# KiCad board UniDebug.kicad_pcb (continued)
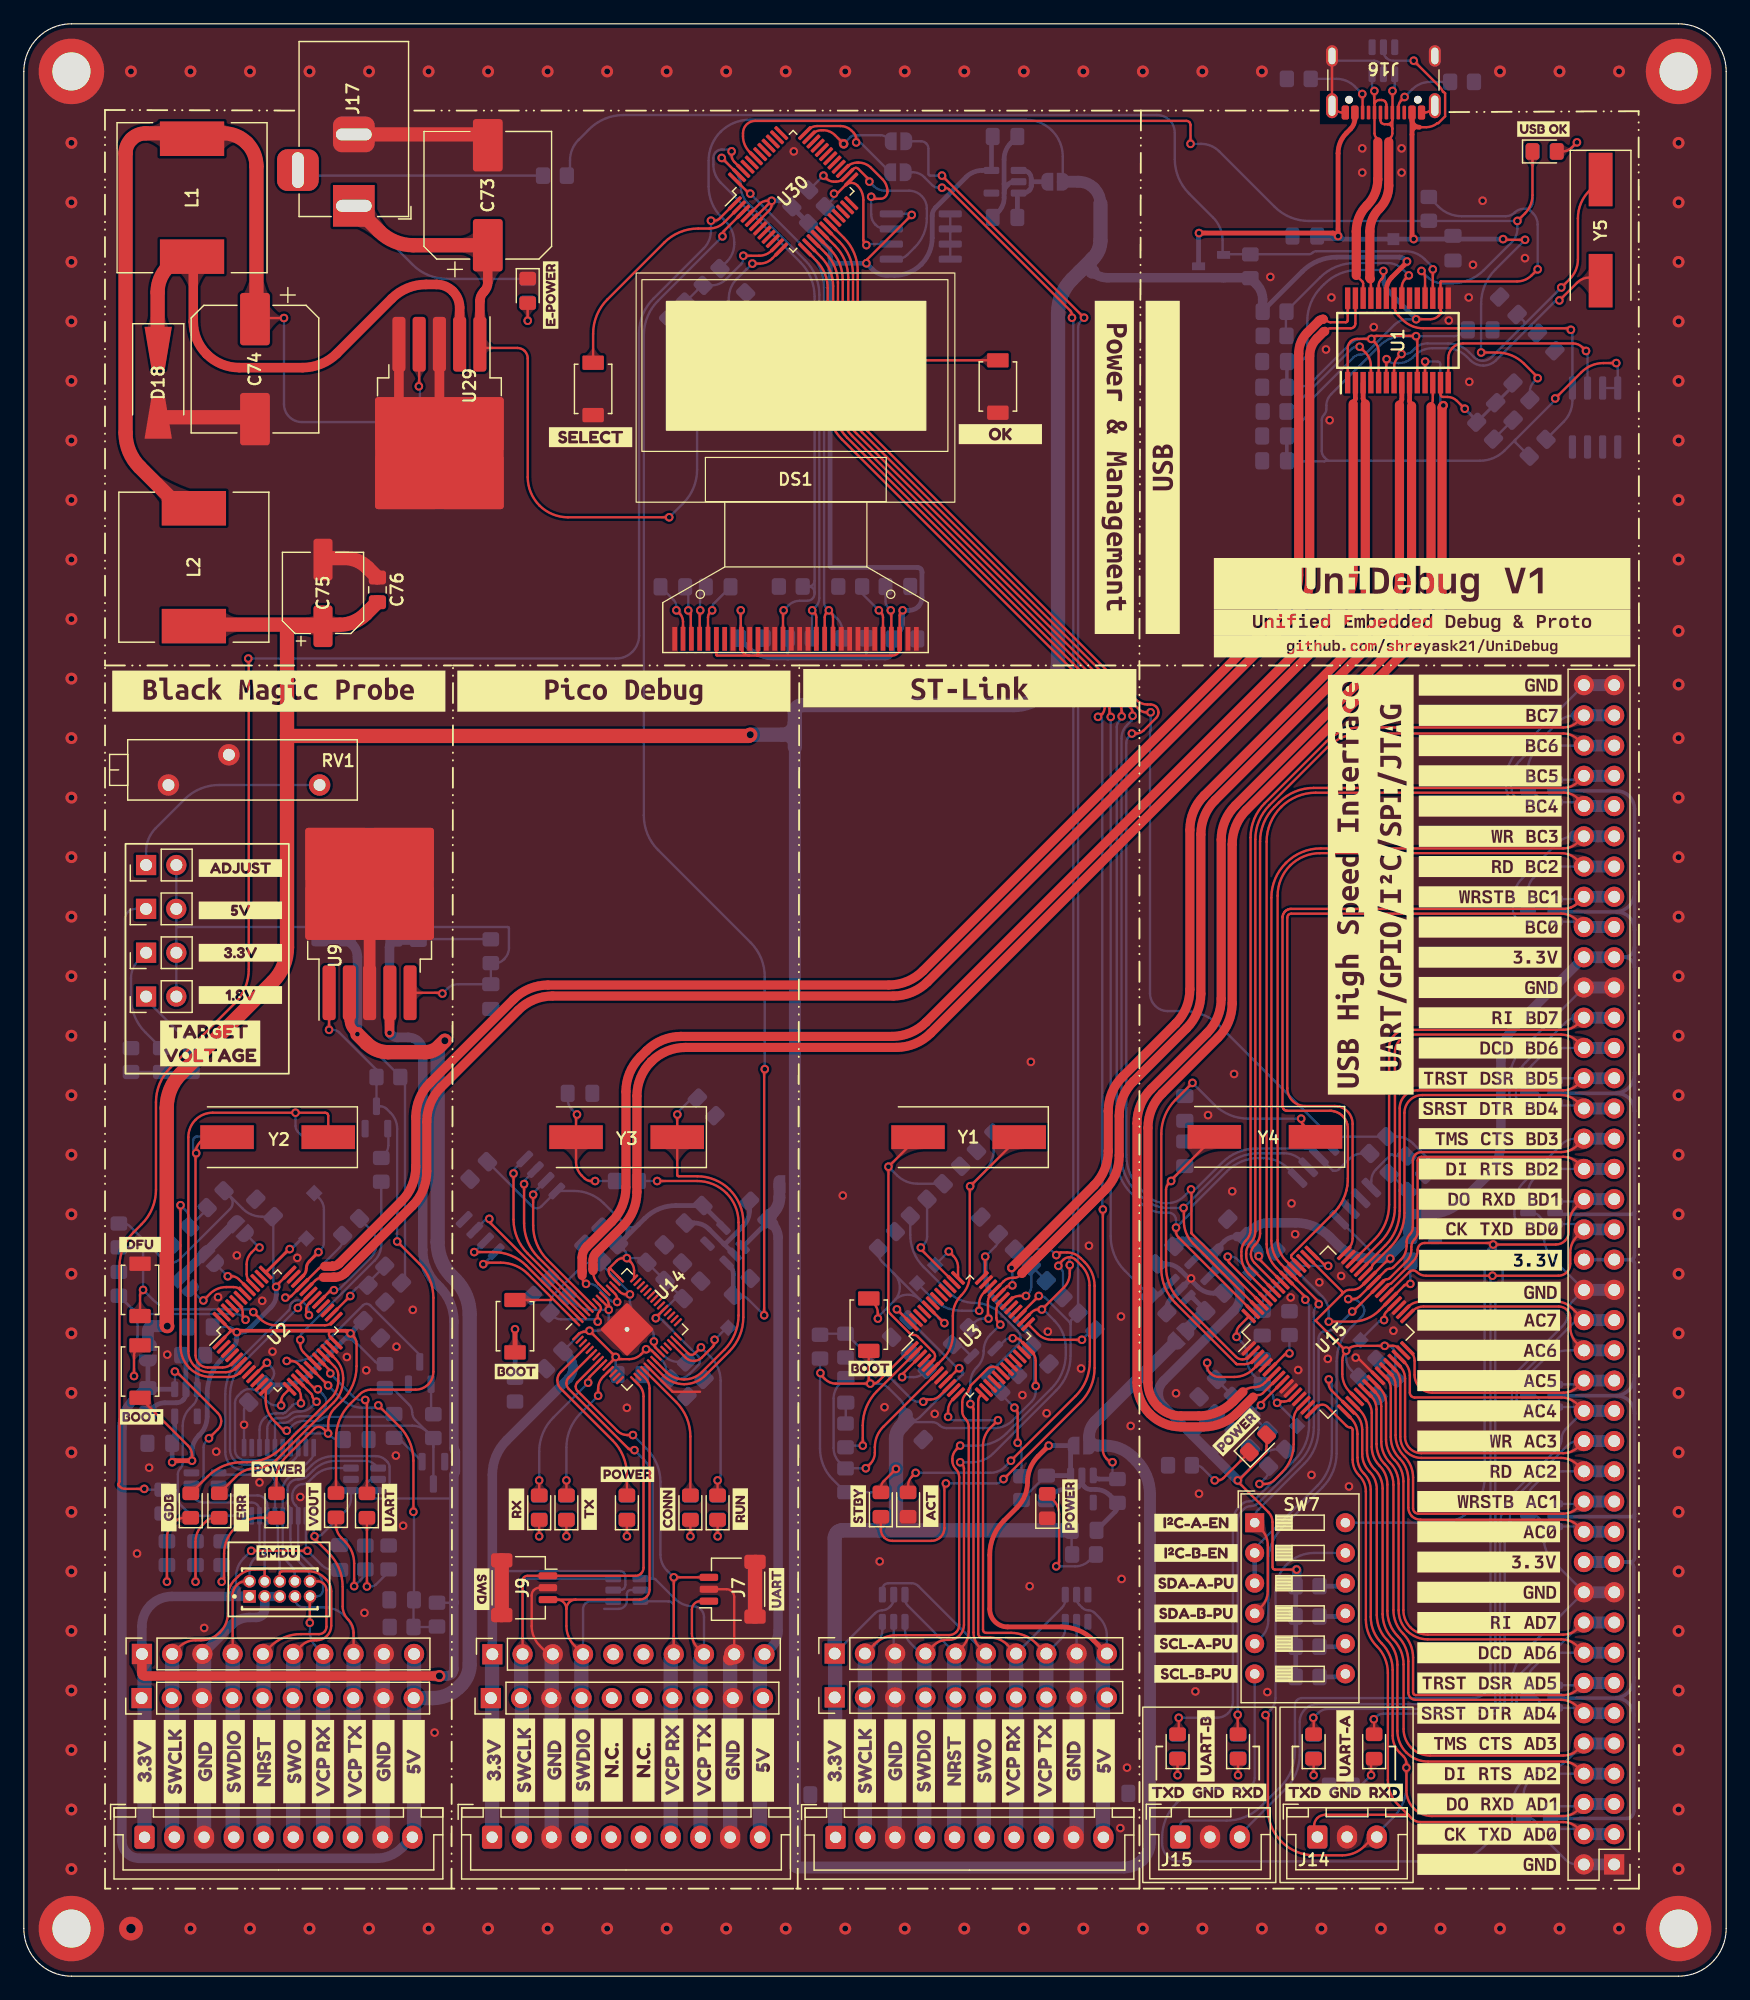
[diagram p0: board, top side]
## Routing (per net, layer and track width the routed paths; a pad name or vN(x,y) marks a point on that pad's centre or on a via; arc(x,y) is an arc through that point) (continued)
/PicoProbe/PP_VSYS: length 142.2
  Top w0.2: U14.44 49.29,58.83 arc(49.18,59) 49.13,59.21 49.13,59.36 ; v1(49.72,52.01) 49.72,51.99 arc(49.72,51.97) 49.71,51.96 U14.10 ; v1(49.72,52.01) 47.52,54.21 arc(47.52,54.22) 47.52,54.22 v1(47.52,54.22) 47.47,54.17 arc(47.41,54.13) 47.35,54.12 47.05,54.12 arc(46.8,54.07) 46.59,53.93 ; v1(49.72,52.01) 49.81,51.92 arc(49.91,51.85) 50.03,51.83 50.85,51.83 arc(51.4,51.94) 51.86,52.25 v1(52.27,52.66) 52.45,52.66 arc(52.61,52.63) 52.75,52.54 U14.22 ; 49.13,59.36 arc(49.15,59.41) 49.2,59.43 ; 49.13,59.36 arc(49.15,59.42) 49.18,59.47 ; U14.49 49.07,56.22 arc(49.12,56.15) 49.14,56.06 v1(49.14,55.97) 49.14,56.39 arc(49.07,56.69) 48.9,56.95 ; 49.18,59.47 49.8,60.09 arc(50.05,60.26) 50.34,60.32 v1(50.66,60.32) 50.96,60.01 arc(51.18,59.68) 51.26,59.28 U14.42 ; 49.18,59.47 arc(49.17,59.44) 49.2,59.43 ; U14.43 50.08,58.61 arc(50.08,58.61) 50.08,58.61 49.31,59.38 arc(49.26,59.42) 49.2,59.43 ; v1(53.08,55.27) 53.08,55.3 arc(53.09,55.33) 53.11,55.36 U14.33
  Bottom w0.2: U11.5 50.1,32.44 arc(50.27,32.47) 50.41,32.56 arc(50.5,32.7) 50.53,32.87 50.53,33.59 arc(50.5,33.76) 50.4,33.9 arc(50.26,33.99) 50.1,34.03 39.79,34.03 arc(39.62,33.99) 39.48,33.9 arc(39.39,33.76) 39.36,33.59 J12.1 ; 55.06,57.24 v1(53.08,55.27) 53.27,55.27 arc(53.44,55.23) 53.59,55.14 56.64,52.08 arc(56.76,51.9) 56.8,51.7 arc(56.76,51.49) 56.64,51.32 55.93,50.61 arc(55.44,50.28) 54.86,50.16 ; C37.1 46.23,56.56 arc(46.87,56.13) 47.63,55.97 v1(49.14,55.97) 49.14,55.14 arc(49.07,54.79) 48.87,54.49 arc(48.57,54.29) 48.21,54.22 v1(47.52,54.22) 47.26,54.22 arc(47.03,54.17) 46.83,54.04 45.52,52.74 ; C32.1 42.69,64.67 arc(42.87,64.55) 43.09,64.51 arc(43.3,64.55) 43.48,64.67 U13.8 46.23,65.96 arc(47.57,65.69) 48.71,64.93 50.51,63.13 arc(51.07,62.9) 51.63,63.13 ; 50.31,61.1 50.51,60.9 arc(50.62,60.73) 50.66,60.53 v1(50.66,60.32) 51.99,60.32 53.52,58.79 ; v1(49.72,52.01) 49.72,50.69 ; v1(52.27,52.66) 52.47,52.66 arc(52.65,52.63) 52.8,52.53 53.63,51.7 arc(53.88,51.33) 53.96,50.9 53.96,50.44 ; C44.1 C40.1
  Bottom w0.4: 50.51,62.01 50.31,61.8 arc(50.16,61.45) 50.31,61.1 ; 50.51,62.01 52.16,63.65 arc(53.36,64.45) 54.78,64.74 C31.1 58.78,63 ; 50.51,62.01 arc(50.75,62.57) 50.51,63.13
  Bottom w0.8: J12.1 39.36,42.12 arc(39.67,43.68) 40.55,45 45.76,50.21 arc(46.04,50.63) 46.14,51.12 arc(46.04,51.61) 45.76,52.02 45.52,52.26
  Bottom w1.2: J10.1 39.33,27.02
/PicoProbe/QSPI_SCLK: length 14.2
  Top w0.2: v1(42.02,66.54) 42.02,63.26 arc(42.33,61.7) 43.22,60.37 U14.52
  Bottom w0.2: v1(42.02,66.54) 42.02,66.67 arc(42.05,66.79) 42.12,66.9 U13.6
/PicoProbe/QSPI_SD0: length 15.6
  Top w0.2: U14.53 42.33,60.7 arc(41.44,62.02) 41.13,63.58 v1(41.13,67.43)
  Bottom w0.2: U13.5 41.23,67.81 arc(41.16,67.7) 41.13,67.57 v1(41.13,67.43)
/PicoProbe/QSPI_SD1: length 12.4
  Top w0.2: U14.55 42.22,59.68 arc(40.95,60.53) 39.45,60.82 v1(37.83,60.82)
  Bottom w0.2: v1(37.83,60.82) 37.84,60.82 arc(37.84,60.83) 37.84,60.83 U13.2
/PicoProbe/QSPI_SD2: length 13
  Top w0.2: v1(39.1,63.62) 39.1,63.49 arc(39.13,63.37) 39.19,63.27 U14.54
  Bottom w0.2: U13.3 38.75,63.53 arc(38.85,63.59) 38.97,63.62 v1(39.1,63.62)
/PicoProbe/QSPI_SD3: length 12.9
  Top w0.2: v1(42.78,65.65) 42.78,63.06 arc(43.1,61.5) 43.98,60.18 U14.51
  Bottom w0.2: v1(42.78,65.65) 42.78,65.71 arc(42.8,65.76) 42.83,65.81 U13.7
/PicoProbe/QSPI_SS: length 14.6
  Top w0.2: SW4.1 44.24,56.8 arc(44.35,56.88) 44.32,57.01 ; 44.32,57.01 42.34,58.99 arc(41.29,59.69) 40.06,59.94 38.81,59.94 arc(38.73,59.92) 38.66,59.87 v1(38.59,59.81) ; 44.32,57.01 U14.56
  Bottom w0.2: v1(38.59,59.81) 38.61,59.81 arc(38.62,59.81) 38.63,59.82 U13.1
/STLink/EN_STLINK: length 116.1
  Top w0.2: U30.13 66.57,144.09 arc(67.28,143.04) 67.52,141.8 67.52,131.98 arc(67.83,130.42) 68.72,129.1 90.51,107.3 arc(90.72,106.99) 90.8,106.62 arc(90.74,106.3) 90.58,106.01 90.35,106.01 90.23,105.89 v1(90.23,105.78) ; v1(90.64,64.41) 90.64,44.21 arc(90.72,43.81) 90.94,43.48 91.18,43.24 arc(91.26,43.19) 91.35,43.17 v1(91.45,43.17)
  Bottom w0.2: v1(90.23,105.78) 90.41,105.78 90.52,105.67 arc(90.57,105.57) 90.59,105.46 90.59,64.49 arc(90.59,64.46) 90.61,64.43 v1(90.64,64.41) ; v1(91.45,43.17) 91.45,42.17
  Bottom w0.4: R31.2 90.35,41.76 arc(90.15,41.8) 89.98,41.91 U4.3
/STLink/STL_CLK: length 165.5
  Top w0.2: v1(78.66,44.57) 78.33,44.24 arc(78.08,43.87) 78,43.44 78,43.31 arc(78.07,42.93) 78.28,42.61 arc(78.5,42.29) 78.57,41.92 78.57,29.5 arc(78.51,29.18) 78.32,28.9 arc(78.05,28.72) 77.72,28.65 76.72,28.65 arc(76.72,28.65) 76.72,28.65 arc(76.71,28.64) 76.71,28.64 73.29,28.64 arc(72.28,28.44) 71.43,27.87 J4.2 ; v1(88.05,139.31) 88.05,139.54 arc(88,139.75) 87.89,139.92 77.73,150.07 arc(77.56,150.19) 77.35,150.23 v1(77.12,150.23) ; U3.26 84.66,55.78 arc(84.91,55.94) 85.2,56 v1(85.51,56) 87.37,57.85 arc(87.73,58.4) 87.86,59.04 v1(87.86,59.73)
  Bottom w0.2: v1(78.66,44.57) 80.09,44.57 arc(81.41,44.83) 82.53,45.58 86.33,49.38 arc(87.22,50.71) 87.53,52.27 87.53,52.78 arc(87.28,54.01) 86.58,55.06 85.69,55.95 arc(85.64,55.99) 85.58,56 v1(85.51,56) ; U5.3 72.12,29.1 arc(72,28.49) 71.65,27.96 70.78,27.1 ; v1(88.05,139.31) 88.1,139.26 arc(88.14,139.19) 88.16,139.12 88.16,60.91 arc(88.12,60.69) 87.99,60.5 arc(87.87,60.32) 87.82,60.1 87.82,59.8 arc(87.83,59.77) 87.84,59.75 v1(87.86,59.73) ; JP14.1 74.65,151.53 arc(75.18,151.43) 75.63,151.13 76.31,150.45 arc(76.55,150.29) 76.82,150.23 v1(77.12,150.23)
  Bottom w1.2: 70.65,11.7 70.65,27.09
/STLink/STL_DIO: length 165.5
  Top w0.2: v1(85.26,57.14) 83.65,55.54 ; v1(78.66,43.17) 78.81,43.01 arc(78.93,42.84) 78.97,42.63 78.97,29.5 arc(78.88,29.02) 78.6,28.62 arc(78.2,28.35) 77.72,28.25 77.56,28.25 arc(76.94,28.13) 76.41,27.77 J4.4 ; v1(89.06,139.31) v1(77.12,151.25)
  Bottom w0.2: 87.93,54.75 87.93,52.1 arc(87.62,50.54) 86.73,49.22 81.41,43.89 arc(80.61,43.36) 79.67,43.17 v1(78.66,43.17) ; 87.93,54.75 87.93,54.96 ; 87.93,54.75 arc(87.91,54.85) 87.86,54.93 ; 87.93,54.96 arc(87.9,54.92) 87.86,54.93 ; 87.93,54.96 arc(87.95,55.05) 88,55.13 88.24,55.37 ; 88.56,56.14 88.56,138.45 arc(88.62,138.78) 88.81,139.06 v1(89.06,139.31) ; 75.35,27.1 74.49,27.96 arc(74.14,28.49) 74.02,29.1 U5.1 ; JP13.1 75.36,154.13 arc(75.6,154.09) 75.81,153.95 arc(75.94,153.75) 75.99,153.51 75.99,151.39 arc(76,151.34) 76.03,151.29 arc(76.08,151.26) 76.13,151.25 v1(77.12,151.25) ; 87.86,54.93 85.78,57.01 arc(85.63,57.11) 85.45,57.14 v1(85.26,57.14)
  Bottom w1.2: 75.65,11.7 75.65,27.01
/STLink/STL_RST: length 47.9
  Top w0.2: J4.5 78.82,27.65 arc(79.23,28.26) 79.37,28.97 79.37,46.16 arc(79.3,46.52) 79.1,46.82 arc(78.9,47.12) 78.83,47.47 78.83,48.21 arc(78.9,48.57) 79.1,48.87 79.31,49.07 arc(79.35,49.15) 79.37,49.24 79.37,49.25 arc(79.39,49.32) 79.43,49.39 79.45,49.4 arc(79.48,49.45) 79.49,49.51 arc(79.5,49.56) 79.53,49.61 80.91,50.99 arc(81.14,51.14) 81.41,51.19 arc(81.67,51.14) 81.9,50.99
  Bottom w0.2: J4.5 74.26,31.11 arc(74.08,31.38) 74.02,31.7
  Bottom w1.2: 78.15,11.7 78.15,26.97
/STLink/STL_RXD: length 45.5
  Top w0.2: J4.7 82.6,27.85 arc(81.95,28.29) 81.19,28.44 80.49,28.44 arc(80.37,28.46) 80.27,28.53 arc(80.2,28.64) 80.17,28.76 80.17,48.37 arc(80.21,48.56) 80.32,48.73 U3.13
  Bottom w0.2: J4.7 87.2,30.94 arc(87.41,31.26) 87.49,31.64
  Bottom w1.2: J4.7 83.36,11.83
/STLink/STL_SWO: length 56.8
  Top w0.2: v1(79.51,48.07) 79.64,47.94 arc(79.74,47.79) 79.77,47.62 79.77,28.88 arc(79.91,28.2) 80.29,27.62 ; v1(82.03,54.73) 81.86,54.9 arc(81.74,55.08) 81.7,55.3 81.7,55.96 arc(81.77,56.31) 81.97,56.62
  Bottom w0.2: v1(82.03,54.73) 81.2,53.9 arc(80.78,53.27) 80.63,52.53 80.63,52.52 arc(80.49,51.79) 80.07,51.17 arc(79.66,50.55) 79.51,49.82 v1(79.51,48.07) ; J4.6 75.14,32.78 arc(74.88,32.95) 74.57,33.01 72.63,33.01 arc(72.43,32.97) 72.27,32.86 arc(72.16,32.69) 72.12,32.5
  Bottom w1.2: 80.65,11.7 80.65,26.93
/STLink/STL_TXD: length 48.5
  Top w0.2: v1(77.64,46.98) 77.64,47.51 arc(77.74,48.01) 78.02,48.42 U3.12 ; v1(81.83,46.7) 81.2,46.07 arc(80.74,45.38) 80.57,44.55 80.57,29.09 arc(80.59,29) 80.65,28.91 arc(80.73,28.86) 80.82,28.84 82.93,28.84 arc(84.06,28.61) 85.03,27.97 J4.8
  Bottom w0.2: v1(81.83,46.7) 78.12,46.7 arc(77.93,46.74) 77.78,46.84 v1(77.64,46.98) ; J4.8 87.1,28.31 arc(87.39,28.73) 87.49,29.23
  Bottom w1.2: J4.8 85.9,11.87
/STLink/~{STLIINK_SDIO}: length 8.4
  Top w0.2: v1(80.25,55.9) 80.25,55.9 arc(80.25,55.9) 80.25,55.9 80.25,56.46 arc(80.35,56.98) 80.65,57.42 U3.34
  Bottom w0.2: v1(80.25,55.9) 78.8,55.9 arc(77.46,56.16) 76.32,56.92 TP2.1
/STLink/~{STLIINK_SWCLK}: length 4.1
  Top w0.2: U3.37 78.47,59.55 arc(78.37,60.06) 78.08,60.49 v1(77.7,60.88)
  Bottom w0.2: v1(77.7,60.88) TP1.1
/STLink/~{STLINK_VBUS}: length 57
  Top w0.4: J4.10 89.86,28.22 arc(88.61,29.05) 87.15,29.34 82.64,29.34 arc(81.58,29.78) 81.14,30.84 81.14,35.39 arc(81.45,36.95) 82.33,38.27 83.42,39.35 arc(84.08,40.35) 84.31,41.52 84.31,41.53 arc(84.54,42.7) 85.2,43.68 v1(86.09,44.57)
  Bottom w0.2: R10.2 85.86,42.05 ; 90.98,27.33 90.98,28.6 arc(90.81,29.42) 90.35,30.11 89.94,30.52 arc(89.7,30.68) 89.42,30.74 arc(89.14,30.79) 88.9,30.95 88.66,31.2 arc(88.49,31.44) 88.44,31.73
  Bottom w0.4: v1(86.09,44.57) JP5.2 ; U4.1 87.93,44.32 ; C18.1 87.92,42.05
  Bottom w1.2: 90.65,11.7 90.65,26.54 arc(90.69,26.76) 90.81,26.94
/STLink/~{STLINK_VSYS}: length 156.8
  Top w0.2: v1(71.11,49.78) 71.35,49.78 arc(71.57,49.82) 71.76,49.95 U3.1 ; v1(71.11,49.78) 71.04,49.84 arc(71,49.91) 70.98,49.99 SW1.1 ; v1(71.11,49.78) 68.22,49.78 arc(67.72,49.87) 67.3,50.16 66.96,50.49 arc(66.93,50.54) 66.91,50.6 v1(66.91,50.66) ; v1(73.26,42.61) 72.24,41.59 arc(72.06,41.32) 71.99,40.99 ; v1(83.07,53.59) 83.3,53.59 arc(83.52,53.54) 83.71,53.42 84.04,53.09 ; U3.48 73.35,56 ; U3.9 78.54,51.06 arc(78.55,51.07) 78.56,51.07 v1(78.58,51.07) ; v1(85,49.57) 85,51.68 arc(84.92,52.1) 84.68,52.45 ; v1(80.76,60.44) 80.76,58.92
  Bottom w0.2: 88.01,37.44 88.01,35.48 R14.1 ; v1(71.11,49.78) 71.69,49.78 arc(72.22,49.67) 72.68,49.37 73.58,48.46 arc(73.95,47.91) 74.08,47.25 74.08,47.12 ; v1(78.58,51.07) 78.86,50.79 arc(78.89,50.74) 78.91,50.67 ; 74.66,46.54 76.29,46.54 arc(76.62,46.48) 76.9,46.29 arc(77.18,46.11) 77.5,46.04 81.51,46.04 arc(82.36,46.21) 83.08,46.69 84.66,48.27 arc(84.91,48.65) 85,49.09 v1(85,49.57) 84.92,49.65 arc(84.87,49.73) 84.85,49.83 84.85,52.7 ; v1(83.07,53.59) 82.83,53.59 arc(82.61,53.55) 82.43,53.42 81.73,52.72 ; J4.1 71.5,30.48 arc(71.78,30.67) 72.1,30.74 arc(72.43,30.8) 72.71,30.99 72.82,31.1 arc(73,31.37) 73.07,31.7 ; 78.86,50.54 75.29,46.97 arc(74.94,46.74) 74.53,46.66 ; 78.86,50.54 arc(78.88,50.59) 78.86,50.65 ; 78.86,50.54 arc(78.89,50.6) 78.91,50.67 ; v1(73.34,56.01) 74.22,55.14 ; v1(80.76,60.44) 81.63,61.32 arc(81.83,61.62) 81.9,61.97 ; 78.86,50.65 C3.1 ; 78.86,50.65 arc(78.89,50.64) 78.91,50.67 ; R3.2 66.88,44.31 arc(67.16,42.91) 67.95,41.73 R1.1 73.14,40.65 arc(73.19,40.65) 73.23,40.62 arc(73.25,40.61) 73.26,40.63
  Bottom w0.4: U4.5 87.93,37.56 ; v1(80.76,60.44) 80.76,59.04 arc(81.02,57.75) 81.75,56.65 84.35,54.04 arc(84.58,53.71) 84.65,53.32
  Bottom w1.2: 68.77,37.46 71.76,37.46 arc(72.83,37.9) 73.26,38.96 73.26,40.53 ; 68.77,37.46 C17.1 ; 68.77,37.46 arc(68.52,37.41) 68.31,37.27 ; 68.77,37.46 arc(68.52,37.41) 68.31,37.27 ; 73.26,40.53 v1(73.26,42.61) 73.26,45.15 arc(73.37,45.68) 73.67,46.13 arc(73.98,46.59) 74.08,47.12 ; 73.26,40.53 arc(73.25,40.58) 73.23,40.62 ; J4.1 68.12,36.81 arc(68.16,37.06) 68.31,37.27 ; 68.15,11.7 68.15,27.07
/Supervisor_MCU/D_RST: length 51.1
  Top w0.2: DS1.14 63.77,114.65 arc(63.78,114.68) 63.8,114.71 v1(63.82,114.73) ; U30.46 59.69,152.39 arc(59.51,152.65) 59.45,152.96 v1(59.45,153.29)
  Bottom w0.2: 66.42,117.23 66.42,141.09 arc(66.11,142.65) 65.23,143.97 58.54,150.66 arc(58.08,151.34) 57.92,152.15 57.92,152.73 arc(57.98,153) 58.13,153.23 arc(58.36,153.39) 58.63,153.44 59.19,153.44 arc(59.29,153.42) 59.38,153.36 v1(59.45,153.29) ; 66.42,117.23 66.42,116.23 ; 66.42,117.23 arc(66.28,116.88) 65.92,116.73 arc(66.28,116.59) 66.42,116.23 ; v1(63.82,114.73) 64.22,115.13 arc(64.67,115.43) 65.19,115.53 65.82,115.53 arc(66.25,115.71) 66.42,116.13 66.42,116.23
/Supervisor_MCU/D_SCL: length 47.8
  Top w0.2: v1(58.62,152.73) 58.63,152.73 arc(58.64,152.73) 58.65,152.73 U30.47 ; v1(66.22,114.73) 66.4,114.56 arc(66.53,114.37) 66.57,114.14 DS1.18
  Bottom w0.2: 66.22,112.73 v1(66.22,114.73) 66.52,115.03 arc(66.74,115.37) 66.82,115.76 66.82,141.25 arc(66.51,142.82) 65.63,144.14 60.78,148.98 arc(60.37,149.6) 60.22,150.34 arc(60.08,151.07) 59.66,151.7 v1(58.62,152.73)
/Supervisor_MCU/D_SDA: length 47.1
  Top w0.2: v1(61.02,149.73) 60.98,149.73 arc(60.94,149.74) 60.9,149.77 U30.48 ; DS1.19 67.27,114.14 arc(67.32,114.37) 67.45,114.56 v1(67.62,114.73) 67.8,114.56 arc(67.93,114.37) 67.97,114.14 DS1.20
  Bottom w0.2: R90.2 68.76,112.99 arc(68.65,113.55) 68.33,114.03 v1(67.62,114.73) 67.42,114.93 arc(67.27,115.16) 67.22,115.42 67.22,141.84 arc(66.91,143.41) 66.03,144.73 v1(61.02,149.73)
/Supervisor_MCU/OKSW: length 23.3
  Top w0.2: U30.19 68.9,146.01 arc(69.75,144.73) 70.05,143.23 70.05,137.23 arc(70.49,136.17) 71.55,135.73 SW6.2
/Supervisor_MCU/SELSW: length 19.7
  Top w0.2: U30.2 58.83,147.32 arc(58.26,146.94) 57.58,146.8 56.64,146.8 arc(55.1,146.5) 53.8,145.63 49.02,140.85 arc(48.13,139.52) 47.82,137.96 SW5.2
/Supervisor_MCU/SUP_3V3: length 129.7
  Top w0.2: DS1.11 61.67,111.02 arc(61.67,110.99) 61.65,110.96 ; 61.66,110.93 61.59,110.93 ; 61.66,110.93 72.95,110.93 arc(73.42,111.13) 73.62,111.61 ; 61.66,110.93 arc(61.64,110.94) 61.65,110.96 ; 61.59,110.93 60.95,110.93 ; 61.59,110.93 arc(61.62,110.94) 61.65,110.96 ; DS1.6 58.17,111.02 arc(58.18,110.99) 58.2,110.96 arc(58.23,110.94) 58.26,110.93 60.95,110.93 ; v1(74.58,147.95) 70.86,144.23 arc(70.8,144.13) 70.77,144.01 v1(70.77,143.88) ; 61.5,147.21 62.61,148.32 arc(62.77,148.56) 62.82,148.83 v1(62.82,149.13) ; v1(62.82,149.13) 61.21,147.52 ; v1(62.82,149.13) 62.44,149.13 arc(62.08,149.06) 61.78,148.86 U30.4 ; DS1.28 73.57,114.31 arc(73.6,114.47) 73.7,114.61 v1(73.82,114.73) ; v1(60.22,114.73) 60.22,112.38 ; 60.95,110.93 arc(60.47,111.13) 60.27,111.61
  Bottom w0.2: U31.8 74.43,148.04 arc(74.49,148.03) 74.54,147.99 v1(74.58,147.95) ; v1(60.22,114.73) 60.22,112.53 ; 63.65,149.13 arc(63.98,149.07) 64.26,148.88 ; 68.3,143.88 arc(67.89,143.72) 67.72,143.31
  Bottom w0.25: R90.1 70.76,110.76 arc(70.76,110.75) 70.77,110.74 arc(70.77,110.74) 70.79,110.73 ; R89.1 64.19,110.76 arc(64.18,110.75) 64.18,110.74 arc(64.18,110.74) 64.18,110.73
  Bottom w0.4: 70.76,110.73 64.16,110.73 ; 70.76,110.73 72.37,110.73 arc(72.6,110.78) 72.8,110.92 arc(72.94,111.12) 72.98,111.35 72.98,112.04 ; 70.76,110.73 arc(70.77,110.74) 70.77,110.74 ; 73.19,112.54 73.4,112.75 arc(73.71,113.22) 73.82,113.76 v1(73.82,114.73) 74.38,114.73 arc(74.79,114.81) 75.14,115.05 arc(75.37,115.39) 75.45,115.8 75.45,117.95 arc(75.42,118.1) 75.33,118.22 arc(75.21,118.3) 75.06,118.33 67.89,118.33 arc(67.83,118.35) 67.77,118.38 arc(67.74,118.44) 67.72,118.5 67.72,144.46 ; v1(62.82,149.13) 63.65,149.13 ; 67.72,144.46 67.72,145 arc(67.72,145.03) 67.7,145.06 65.92,146.84 ; 67.72,144.46 arc(67.89,144.05) 68.3,143.88 v1(70.77,143.88) 71.28,143.38 arc(71.84,143) 72.51,142.87 73.15,142.87 arc(74.36,143.11) 75.38,143.79 arc(76.06,144.81) 76.3,146.02 76.3,147.88 arc(76.38,148.24) 76.58,148.55 79.16,151.13 arc(79.78,151.54) 80.5,151.68 U32.5 81.28,154.43 ; 59.94,112.53 60.88,111.59 arc(61.83,110.96) 62.95,110.73 64.16,110.73 ; 64.16,110.73 arc(64.17,110.74) 64.18,110.74 ; 64.77,148.37 R92.1
/Supervisor_MCU/SUP_EN4: length 101.6
  Top w0.2: v1(91.3,105.78) 91.25,105.83 arc(91.21,105.89) 91.2,105.96 91.2,106.54 arc(91.08,107.15) 90.73,107.67 69.18,129.22 arc(68.29,130.54) 67.98,132.11 67.98,141.97 arc(67.72,143.29) 66.98,144.4 U30.14
  Bottom w0.2: R71.2 92.49,59.26 arc(91.61,60.58) 91.3,62.14 91.3,105.77 arc(91.3,105.77) 91.3,105.77 v1(91.3,105.78)
  Bottom w0.4: U26.3 95.46,57.36 arc(95.21,57.2) 94.92,57.14
/Supervisor_MCU/SUP_MISO: length 106.2
  Top w0.2: v1(94.65,106.16) 94.29,106.16 arc(93.96,106.23) 93.67,106.42 70.45,129.65 arc(69.56,130.97) 69.25,132.53 69.25,142.68 arc(68.96,144.13) 68.14,145.35 U30.17
  Bottom w0.2: v1(94.65,106.16) 94.65,104.68 arc(94.64,104.64) 94.63,104.61 arc(94.61,104.59) 94.6,104.55 94.6,82.57 arc(95.04,81.51) 96.1,81.07 97.51,81.07 arc(99.07,80.76) 100.39,79.87 109.4,70.87 arc(109.61,70.54) 109.69,70.16 arc(109.8,70) 109.99,70.03 110.08,70.13 arc(110.52,70.42) 111.03,70.52 R63.2 115.3,70.52 arc(116.06,70.37) 116.7,69.95 118,68.64 arc(118.15,68.42) 118.2,68.17 arc(118.15,67.91) 118,67.69
/Supervisor_MCU/SUP_MOSI: length 127.6
  Top w0.2: v1(98.05,66.09) 98.06,66.07 arc(98.08,66.06) 98.08,66.03 98.08,62.47 arc(98.08,62.45) 98.07,62.44 arc(98.06,62.43) 98.07,62.41 100.47,60.01 arc(100.47,60.01) 100.47,60 arc(100.47,60) 100.48,59.99 U15.61 ; v1(93.08,104.39) 93.44,104.39 arc(93.78,104.45) 94.06,104.64 95.12,105.7 arc(95.26,105.91) 95.31,106.16 arc(95.26,106.42) 95.12,106.63 arc(94.9,106.77) 94.65,106.82 94.38,106.82 arc(93.88,106.92) 93.45,107.21 70.85,129.81 arc(69.96,131.14) 69.65,132.7 69.65,142.95 arc(69.36,144.43) 68.52,145.68 U30.18
  Bottom w0.2: v1(93.08,104.39) 92.84,104.15 arc(92.67,103.89) 92.61,103.58 92.61,69 arc(92.92,67.44) 93.8,66.12 94.32,65.6 arc(95.06,65.11) 95.94,64.93 96.07,64.93 arc(96.82,65.08) 97.47,65.51 v1(98.05,66.09) 98.23,66.09 arc(98.4,66.13) 98.54,66.22 100.65,68.33 arc(101.97,69.21) 103.54,69.52 107.63,69.52 arc(108.07,69.44) 108.45,69.18 ; U17.3 109.96,67.67 arc(109.97,67.67) 109.97,67.66 arc(109.97,67.66) 109.97,67.66 110.16,67.66 arc(110.33,67.69) 110.48,67.79 111.35,68.66 arc(111.85,68.99) 112.44,69.11
/Supervisor_MCU/SUP_NSS: length 119.1
  Top w0.2: U15.63 97,62.05 arc(96.84,62.29) 96.78,62.57 v1(96.78,62.88) ; v1(92.22,105.82) 92.22,106.28 arc(92.14,106.71) 91.9,107.07 69.58,129.38 arc(68.7,130.7) 68.39,132.27 68.39,142.24 arc(68.12,143.58) 67.36,144.72 U30.15
  Bottom w0.2: U17.1 106.16,67.88 arc(105.23,68.51) 104.13,68.72 103.75,68.72 arc(102.3,68.44) 101.07,67.61 98.24,64.79 arc(98.12,64.61) 98.08,64.4 arc(98.04,64.19) 97.92,64.02 v1(96.78,62.88) 96.78,63.51 arc(96.6,63.95) 96.16,64.13 95.72,64.13 arc(94.74,64.33) 93.9,64.89 93,65.79 arc(92.12,67.11) 91.81,68.67 91.81,104.93 arc(91.86,105.2) 92.01,105.43 92.16,105.58 arc(92.2,105.65) 92.22,105.73 v1(92.22,105.82)
/Supervisor_MCU/SUP_SCK: length 118.4
  Top w0.2: v1(97.42,64.53) 97.43,64.52 arc(97.44,64.51) 97.44,64.49 97.44,63.42 arc(97.65,62.41) 98.22,61.55 99.37,60.4 arc(99.37,60.39) 99.38,60.39 arc(99.38,60.38) 99.38,60.38 U15.62 ; U30.16 67.73,145.05 arc(68.51,143.89) 68.79,142.51 68.79,132.43 arc(69.1,130.87) 69.98,129.55 92.96,106.57 arc(93.09,106.37) 93.14,106.13 v1(93.14,105.87)
  Bottom w0.2: v1(93.14,105.87) 93.14,105.72 arc(93.11,105.58) 93.03,105.46 92.67,105.1 arc(92.33,104.58) 92.21,103.97 92.21,68.84 arc(92.52,67.28) 93.4,65.95 93.9,65.45 arc(94.92,64.77) 96.12,64.53 v1(97.42,64.53) 100.82,67.93 arc(102.14,68.81) 103.7,69.12 105.88,69.12 arc(106.65,68.97) 107.3,68.53
/USBHS_FTDI/FTDI_3V3: length 335.7
  Top w0.2: 115.58,52.66 115.49,52.75 arc(115.27,52.9) 115.01,52.95 v1(114.31,52.95) 112,52.95 arc(111.52,52.86) 111.12,52.59 arc(110.85,52.18) 110.75,51.71 110.75,50.58 arc(110.91,49.78) 111.37,49.1 U15.20 ; U15.56 103.82,60.19 arc(103.76,60.28) 103.74,60.38 v1(103.74,60.49) ; D21.2 104.39,44.52 arc(104.38,44.36) 104.35,44.2 104.35,44.19 104.35,43.96 102.05,41.65 101.99,41.65 arc(101.98,41.65) 101.97,41.65 v1(101.97,41.65) 101.97,41.6 arc(101.97,41.56) 102,41.53 104.55,38.98 arc(104.8,38.6) 104.89,38.14 104.89,34.36 arc(104.91,34.28) 104.95,34.22 arc(105.02,34.17) 105.1,34.15 v1(106.92,34.15) ; U15.50 110.7,57.55 arc(110.74,57.48) 110.76,57.4 arc(110.74,57.32) 110.7,57.25 108.52,55.07 arc(108.51,55.07) 108.51,55.07 arc(108.51,55.07) 108.52,55.06 111.02,52.56 arc(111.04,52.55) 111.06,52.54 v1(111.08,52.54) ; 110.74,57.29 110.92,57.47 arc(111.11,57.6) 111.34,57.65 111.57,57.65 arc(112.01,57.74) 112.39,57.99 U15.42 114.66,60.26 arc(114.69,60.28) 114.73,60.29 v1(114.78,60.29)
  Bottom w0.2: v1(114.78,60.29) 114.27,60.29 arc(113.79,60.38) 113.39,60.65 U17.8 ; C52.1 115.2,52.26 arc(115.14,52.53) 115,52.75 114.96,52.78 arc(114.78,52.91) 114.55,52.95 v1(114.31,52.95) ; 112.1,50.31 111.5,50.91 arc(111.19,51.38) 111.08,51.94 v1(111.08,52.54) ; R61.2 105.27,44.26 arc(104.62,44.13) 104.06,43.76 101.97,41.67 arc(101.97,41.66) 101.97,41.66 v1(101.97,41.65) ; R64.1 114.75,67.43
  Bottom w0.3: 135.3,91.16 135.3,98.06 arc(134.86,99.12) 133.8,99.56 U18.5 ; 135.3,91.16 135.3,87.9 ; 135.3,91.16 arc(134.86,89.91) 133.8,89.4 ; 135.24,25.12 135.24,21.86 ; 135.24,25.12 135.24,34.36 arc(135.21,34.52) 135.11,34.66 arc(134.97,34.76) 134.81,34.79 J13.21 134.98,34.79 arc(135.1,34.81) 135.21,34.88 arc(135.27,34.98) 135.3,35.11 135.3,38.64 ; 135.24,25.12 arc(134.8,23.87) 133.74,23.36 ; 135.24,21.86 135.24,13.86 arc(135.19,13.63) 135.06,13.43 arc(134.87,13.3) 134.63,13.25 128.33,13.25 ; 135.24,21.86 arc(134.8,22.92) 133.74,23.36 ; 128.76,38.6 135.08,38.6 arc(135.16,38.62) 135.24,38.66 ; 135.3,64.04 135.3,60.51 arc(135.27,60.38) 135.21,60.28 ; 135.3,64.04 135.3,64.22 ; 135.3,64.04 arc(135.28,64.07) 135.24,64.06 ; 135.3,87.9 135.3,86.44 ; 135.3,87.9 arc(134.86,88.96) 133.8,89.4 ; 135.3,86.44 135.3,84.74 ; 135.3,86.44 arc(135.05,85.84) 134.44,85.59 ; 135.3,84.74 135.3,75.92 ; 135.3,84.74 arc(135.05,85.34) 134.44,85.59 ; 135.3,47.26 135.3,50.52 ; 135.3,47.26 135.3,38.82 ; 135.3,47.26 arc(134.86,48.32) 133.8,48.76 ; 135.3,50.52 135.3,59.87 arc(135.27,59.99) 135.21,60.1 ; 135.3,50.52 arc(134.86,49.27) 133.8,48.76 ; 135.3,38.82 135.3,38.64 ; 135.3,38.82 arc(135.28,38.73) 135.24,38.66 ; 135.3,64.22 135.3,72.66 ; 135.3,64.22 arc(135.28,64.13) 135.24,64.06 ; 133.8,74.16 128.76,74.16 ; 133.8,74.16 arc(134.86,73.72) 135.3,72.66 ; 133.8,74.16 arc(134.86,74.67) 135.3,75.92 ; 135.3,72.66 135.3,75.92 ; 133.8,48.76 U22.5 ; 128.76,64 135.08,64 arc(135.16,64.02) 135.24,64.06 ; 133.8,89.4 128.76,89.4 ; J13.42 J13.41 134.98,60.19 ; 133.74,23.36 128.76,23.36 ; 134.98,60.19 arc(135.1,60.17) 135.21,60.1 ; 134.98,60.19 arc(135.1,60.21) 135.21,60.28 ; 135.3,38.64 arc(135.28,38.67) 135.24,38.66 ; J13.61 134.44,85.59 ; 135.21,60.1 arc(135.17,60.19) 135.21,60.28
  Bottom w0.4: R93.1 R96.1 ; 99.44,58.68 100.05,59.29 arc(100.21,59.67) 100.05,60.06 ; 103.09,62.61 arc(102.55,62.25) 101.92,62.12 101.8,62.12 arc(101.28,62.02) 100.83,61.72 100.48,61.37 arc(100.44,61.32) 100.43,61.27 arc(100.42,61.21) 100.39,61.16
  Bottom w0.8: v1(106.92,34.15) 106.92,32.84 ; 116.25,63.23 116.25,64.77 ; 116.25,63.23 116.25,62.61 arc(116.28,62.46) 116.36,62.34 ; 116.25,63.23 arc(116.47,63.77) 117.02,64 ; 116.25,64.77 R64.1 ; 116.25,64.77 arc(116.47,64.23) 117.02,64 ; FB2.1 99.84,43.94 arc(99.82,43.9) 99.81,43.86 99.81,43.81 ; v1(101.97,41.65) 95.74,47.88 arc(95.3,48.94) 95.74,50 101.65,55.91 arc(102.04,56.5) 102.18,57.18 arc(102.04,57.87) 101.65,58.46 100.82,59.29 ; 100.05,60.82 100.39,61.16 ; 100.05,60.82 arc(99.67,60.66) 99.28,60.82 ; 100.05,60.82 arc(99.89,60.44) 100.05,60.06 ; 98.16,45.46 99.97,47.27 ; 100.05,60.06 99.28,60.82 ; 100.05,60.06 100.82,59.29 ; 99.28,60.82 98.87,61.24 arc(98.34,61.59) 97.7,61.72 97.31,61.72 arc(97.04,61.67) 96.81,61.51 C61.1 ; 117.02,64 118.01,64 arc(119.57,64.31) 120.89,65.2 122.88,67.18 arc(123.77,68.51) 124.08,70.07 124.08,76.93 arc(124.39,78.49) 125.27,79.81 J13.62 ; v1(103.74,60.49) 103.74,60.74 arc(103.69,60.97) 103.56,61.17 103.09,61.64 ; 103.09,61.64 arc(102.55,62) 101.92,62.12 ; 103.09,61.64 arc(102.89,62.12) 103.09,62.61 103.18,62.7 arc(103.82,63.13) 104.58,63.28 106.83,63.28 arc(108.39,62.97) 109.72,62.09 110.36,61.44 arc(111.64,60.59) 113.15,60.29 v1(114.78,60.29) 114.78,60.41 arc(114.8,60.52) 114.86,60.61 116.36,62.11 ; 100.82,59.29 arc(100.43,59.45) 100.05,59.29
  Bottom w1: J13.21 J13.22 ; J13.62 J13.61
/USBHS_FTDI/RXD1: length 99
  Top w0.2: 113.39,11.69 112.61,10.92 arc(111.76,10.35) 110.75,10.15 108.41,10.15 arc(106.92,10.45) 105.65,11.29 arc(104.8,12.56) 104.51,14.05 104.51,21.59 arc(104.48,21.72) 104.4,21.84 v1(104.3,21.94) ; U15.17 111.47,46.87 arc(111.88,46.26) 112.03,45.54 112.03,43.55 arc(112.17,42.83) 112.58,42.21 arc(113,41.59) 113.14,40.86 113.14,30.18 arc(113.38,28.98) 114.06,27.96 arc(114.74,26.94) 114.98,25.74 114.98,20.19 arc(115.13,19.44) 115.56,18.79 115.89,18.46 arc(116.08,18.19) 116.14,17.87 v1(116.14,17.52) 116.14,15.6 arc(116.3,14.78) 116.77,14.08 arc(117.46,13.62) 118.29,13.45 129.32,13.45 arc(129.98,13.59) 130.54,13.96
  Bottom w0.2: U25.4 130.86,14.28 ; v1(116.14,17.52) 116.14,15.98 arc(115.86,14.56) 115.05,13.36 113.39,11.69 ; v1(104.3,21.94) 104.72,22.36 arc(105.03,22.82) 105.14,23.37 105.14,32.3 arc(105.39,33.54) 106.09,34.6 arc(107.15,35.3) 108.39,35.55 SW7.11
  Bottom w1: J13.5 J13.6
/USBHS_FTDI/RXD2: length 127.6
  Top w0.2: J13.46 130.41,64.63 arc(129.94,63.93) 129.78,63.1 129.78,62.54 arc(129.7,62.13) 129.46,61.78 arc(129.11,61.54) 128.7,61.46 v1(123.43,61.46) 123.37,61.52 arc(123.3,61.57) 123.21,61.59 117.66,61.59 arc(117.25,61.42) 117.08,61 arc(116.97,60.46) 116.67,60 114.86,58.2 arc(114.8,58.16) 114.74,58.15 arc(114.67,58.13) 114.62,58.1 U15.39
  Bottom w0.2: SW7.12 118.95,38.09 arc(120.39,38.38) 121.61,39.19 arc(122.42,40.41) 122.71,41.84 122.71,60.23 arc(122.8,60.7) 123.07,61.1 v1(123.43,61.46) 123.54,61.35 arc(123.63,61.22) 123.66,61.07 123.66,60.74 arc(123.73,60.37) 123.94,60.06 arc(124.14,59.75) 124.22,59.39 124.22,58.14 arc(124.14,57.73) 123.91,57.39 arc(123.68,57.05) 123.6,56.65 123.6,22.93 arc(123.6,22.9) 123.58,22.87 arc(123.55,22.86) 123.53,22.85 108.67,22.85 arc(107.61,22.41) 107.17,21.35 107.17,18.6 arc(106.86,17.04) 105.98,15.72 102.14,11.88 ; U21.4 130.86,65.08